# Altium PCB UltraZohm_Analog_ADS5272.PcbDoc (part 3 of 4) (continued)
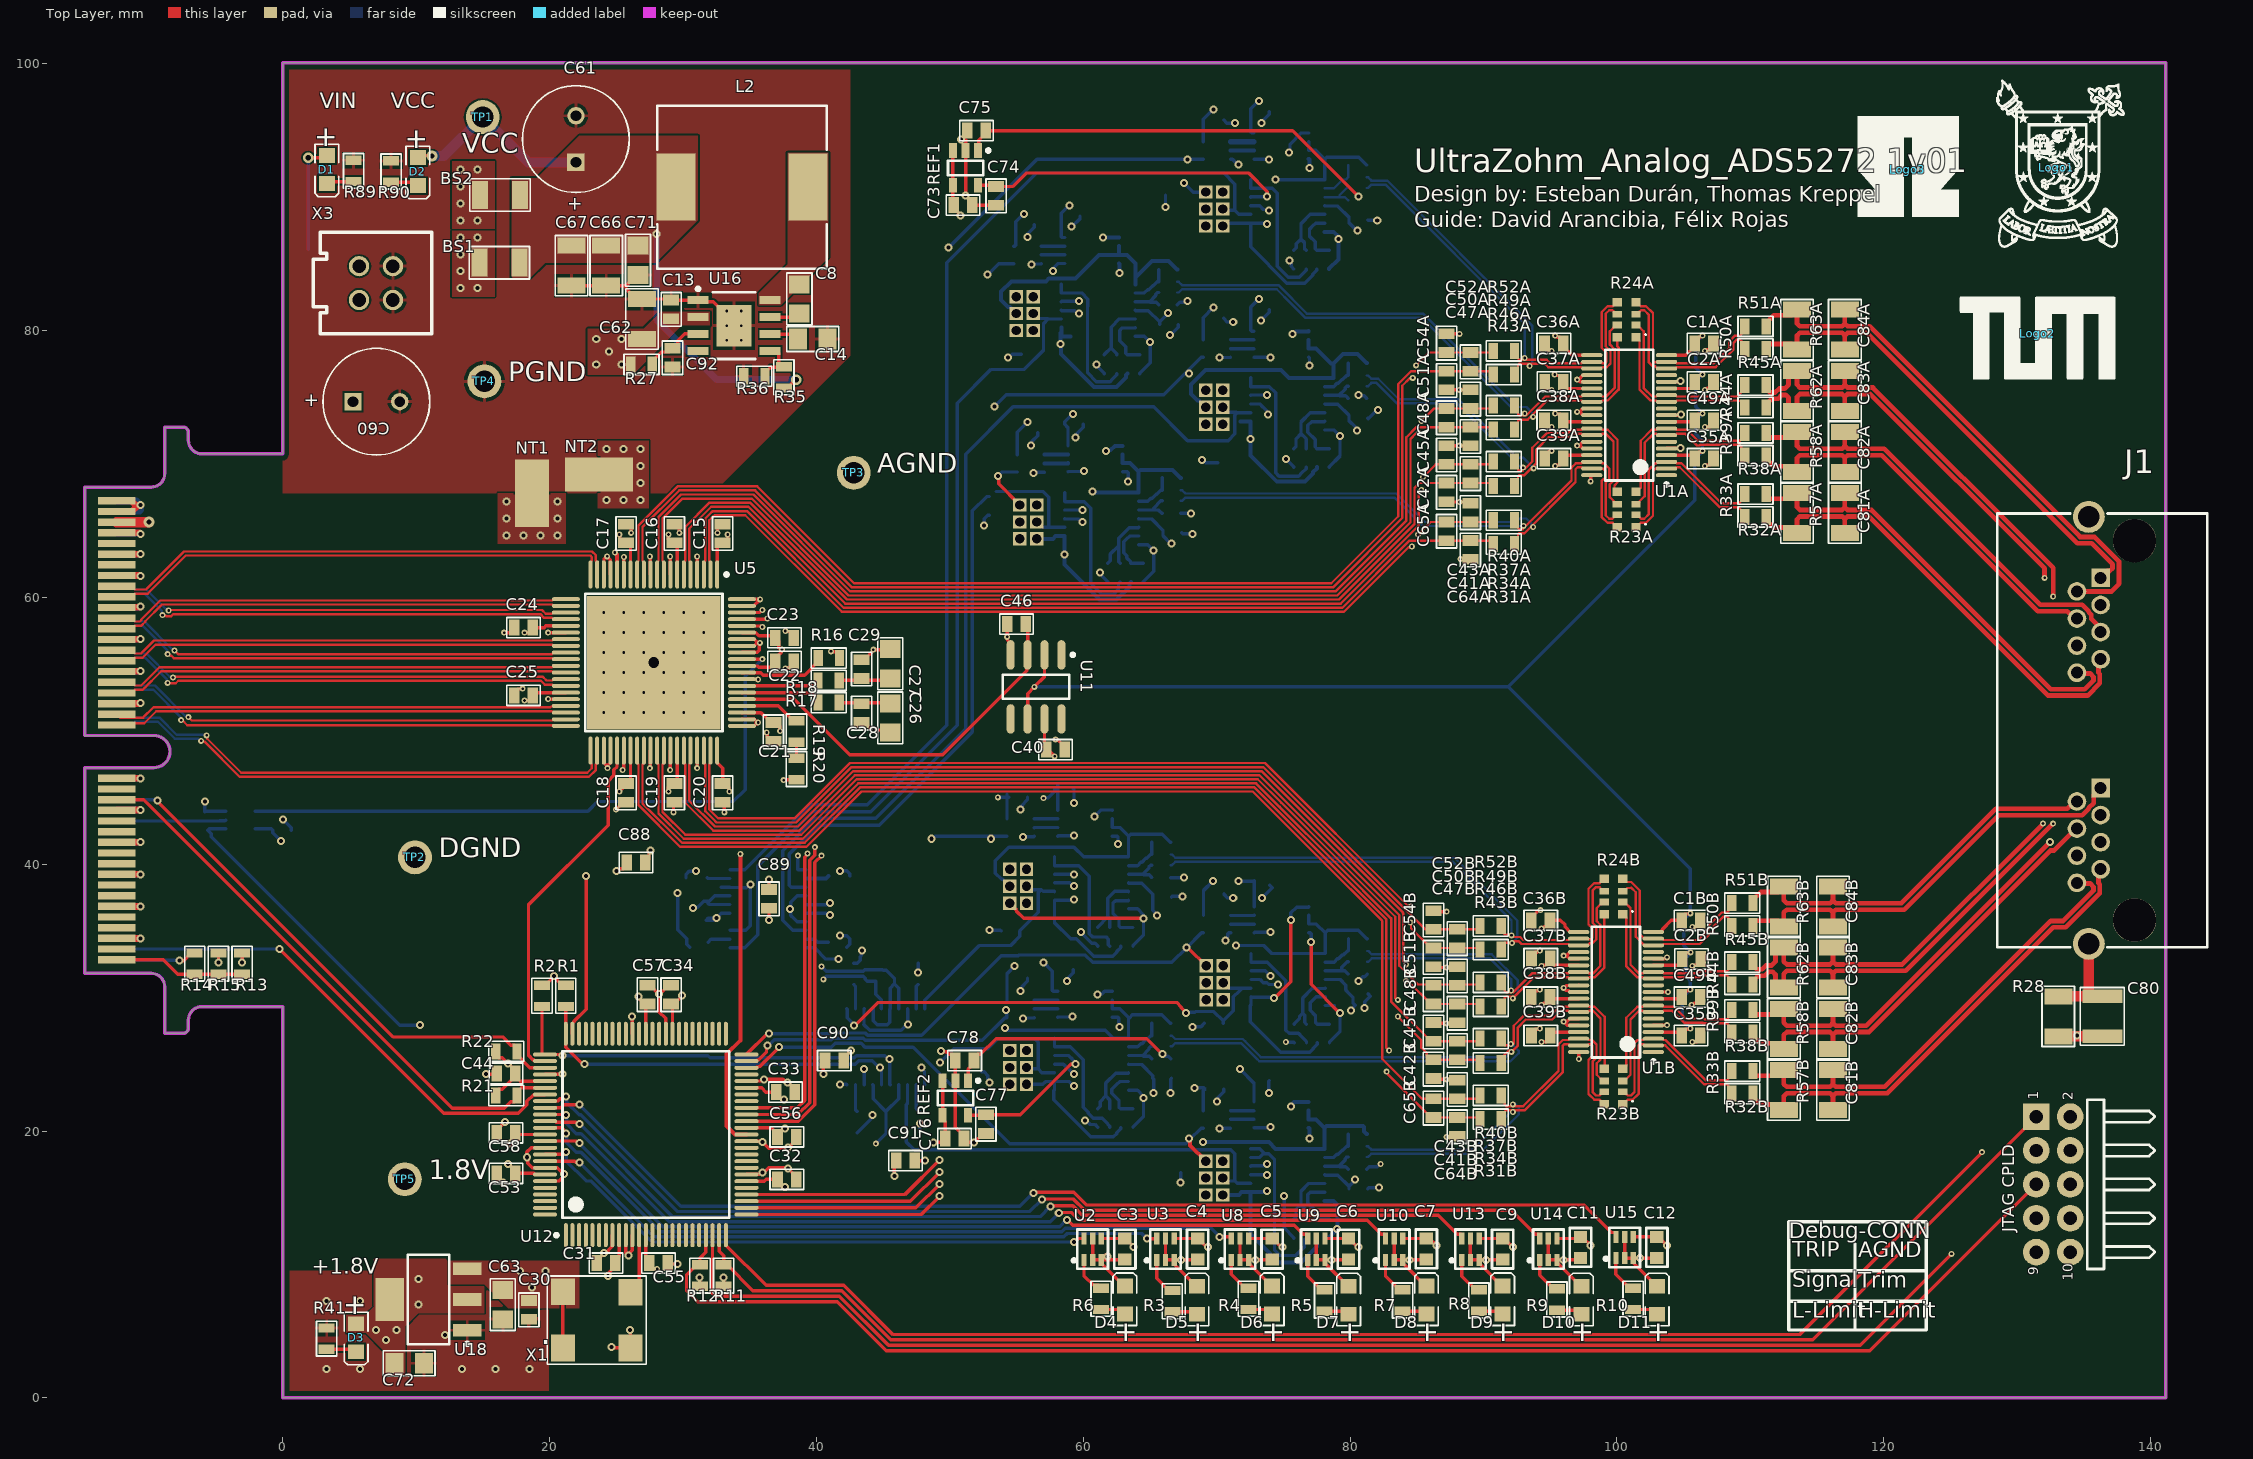
[diagram p0: Top Layer view]
## Nets (pads, with @x,y where several pads share a name; then routed paths per layer and width w, separated by ;. In a path a pad name is that pad's centre, name@x,y a point inside that pad or via, vN(x,y) a via of type N, cw(c..) or ccw(c..) an arc to the next point about the centre after c; other vN are vias at no path point) (continued)
  Top Layer w0.508: X2.75@-12.453,34.442 -12.44,34.429 -10.68,34.429 v1(-10.668,34.417) ; X2.69@-12.453,36.842 -12.447,36.836 -10.674,36.836 v1(-10.668,36.83) ; X2.63@-12.453,39.242 X2.63@-12.453,39.242 v1(-10.668,39.243) ; X2.57@-12.453,41.642 -12.446,41.649 -10.675,41.649 v1(-10.668,41.656) ; X2.51@-12.453,44.042 -12.439,44.055 -10.682,44.055 v1(-10.668,44.069) ; X2.45@-12.453,46.442 -12.451,46.44 -10.67,46.44 v1(-10.668,46.438) ; X2.39@-12.453,52.042 -12.439,52.056 -10.682,52.056 v1(-10.668,52.07) ; X2.33@-12.453,54.442 -12.432,54.463 -10.713,54.463 -10.693,54.483 v1(-10.668,54.483) ; X2.27@-12.453,56.842 -12.432,56.863 -10.726,56.863 -10.693,56.896 v1(-10.668,56.896) ; X2.21@-12.453,59.242 -12.432,59.263 -10.739,59.263 -10.693,59.309 v1(-10.668,59.309) ; X2.15@-12.453,61.642 -10.715,61.642 v1(-10.668,61.595) ; X2.11@-12.453,63.242 -12.451,63.244 -10.67,63.244 v1(-10.668,63.246) ; X2.7@-12.453,64.842 -10.74,64.842 v1(-10.668,64.77) ; X2.3@-12.453,66.442 -12.432,66.463 -11.307,66.463 v1@-10.864,66.906 ; X2.1@-12.453,67.242 -11.328,67.242 -10.992,66.906 v1@-10.864,66.906 ; v1(-10.668,66.923) -10.686,66.906 v1@-10.864,66.906
  Top Layer w0.762: R28.2@133.096,27.099 C80.1@136.398,27.099
  Bottom Layer w0.254: v1(-5.842,44.704) C86.2@-5.842,43.945 -5.83,43.957 U17.3@-4.285,43.957 ; v1(0.015,43.346) 0.037,43.346 0.638,42.745 C87.2@0.638,42.545 ; v1@32.51,35.814 C10.2@31.75,35.814 31.908,35.972 v1(32.51,35.972) 32.869,36.331 POT1.15@33.519,36.331 ; POT1.7@39.219,35.681 38.569,35.681 38.354,35.896 38.345,35.896 38.085,36.156 38.085,36.59 v1(38.019,36.656) 38.085,36.722 38.085,37.156 38.345,37.416 38.354,37.416 38.569,37.631 POT1.4@39.219,37.631 ; v2(40.513,31.369) 40.736,31.592 43.504,31.592 43.653,31.443 43.653,31.391 43.802,31.242 C59.2@44.45,31.242 44.45,30.261 44.854,29.857 44.854,29.188 POT2.15@44.877,29.165 ; POT2.7@44.227,23.465 44.25,23.442 44.25,22.425 45.212,21.463 ; v2(44.45,19.05) 45.212,19.812 45.212,21.463 ; POT2.4@46.177,23.465 46.177,22.428 45.212,21.463
  Bottom Layer w0.508: X2.76@-12.453,34.442 -12.44,34.429 -10.68,34.429 v1(-10.668,34.417) ; X2.70@-12.453,36.842 -12.447,36.836 -10.674,36.836 v1(-10.668,36.83) ; X2.64@-12.453,39.242 v1@-10.669,39.242 ; X2.58@-12.453,41.642 -12.446,41.649 -10.675,41.649 v1(-10.668,41.656) ; X2.52@-12.453,44.042 -12.439,44.055 -10.682,44.055 v1(-10.668,44.069) ; X2.46@-12.453,46.442 -12.451,46.44 -10.67,46.44 v1(-10.668,46.438) ; X2.40@-12.453,52.042 -12.439,52.056 -10.682,52.056 v1(-10.668,52.07) ; X2.34@-12.453,54.442 -10.709,54.442 v1(-10.668,54.483) ; X2.28@-12.453,56.842 -12.432,56.863 -10.726,56.863 -10.693,56.896 v1(-10.668,56.896) ; X2.22@-12.453,59.242 -10.735,59.242 v1(-10.668,59.309) ; X2.16@-12.453,61.642 -12.432,61.621 -10.719,61.621 -10.693,61.595 v1(-10.668,61.595) ; X2.12@-12.453,63.242 -10.672,63.242 v1(-10.668,63.246) ; X2.8@-12.453,64.842 -12.432,64.821 -10.744,64.821 -10.693,64.77 v1(-10.668,64.77) ; X2.4@-12.453,66.442 -12.432,66.463 -10.753,66.463 -10.668,66.548 v1(-10.668,66.923) -10.966,67.221 -12.432,67.221 X2.2@-12.453,67.242
  other v1: 3.26,2.16 5.8,2.16 13.42,2.16 15.96,2.16 18.5,2.16 12.15,4.7 3.26,7.24 5.8,7.24 134.493,27.178 16.764,64.643 18.034,64.643 19.304,64.643 20.574,64.643 16.764,65.913 20.574,65.913 16.764,67.183 20.574,67.183
  other v2: 24.063,51.368 25.563,51.368 27.063,51.368 28.563,51.368 30.063,51.368 31.563,51.368 24.063,52.868 31.563,52.868 24.063,54.368 31.563,54.368 24.063,55.868 31.563,55.868 24.063,57.368 31.563,57.368 24.063,58.868 25.563,58.868 27.063,58.868 28.563,58.868 30.063,58.868 31.563,58.868
  other v3: 25.563,52.868 27.063,52.868 28.563,52.868 30.063,52.868 25.563,54.368 27.063,54.368 28.563,54.368 30.063,54.368 25.563,55.868 27.063,55.868 28.563,55.868 30.063,55.868 25.563,57.368 27.063,57.368 28.563,57.368 30.063,57.368
I2C_SHARED_SCL: R21.2 U12.81 X2.49 | length 42.6
  Top Layer w0.254: X2.49@-12.453,44.842 -10.425,44.842 12.7,21.717 16.612,21.717 17.085,22.19 17.335,22.19 17.558,22.413 R21.2@17.558,22.663 17.558,22.913 17.887,23.242 U12.81@19.66,23.242
I2C_SHARED_SDA: R22.2 U12.78 X2.50 | length 40.8
  Top Layer w0.254: v1(-9.398,44.767) -9.398,44.704 8.255,27.051 16.471,27.051 17.085,26.438 17.335,26.438 17.558,26.215 R22.2@17.558,25.965 17.558,25.715 18.522,24.751 19.651,24.751 U12.78@19.66,24.742
  Bottom Layer w0.254: X2.50@-12.453,44.842 -9.472,44.842 v1(-9.398,44.767)
LCLK_N: U5.20 X2.19 | length 38.3
  Top Layer w0.178: X2.19@-12.453,60.042 -11.328,60.042 -11.08,60.29 -10.128,60.29 -7.279,63.139 23.056,63.139 23.161,63.035 23.161,62.749 23.063,62.651 U5.20@23.063,61.718
LCLK_P: U5.19 X2.17 | length 38.8
  Top Layer w0.178: X2.17@-12.453,60.842 -11.328,60.842 -11.08,60.594 -10.254,60.594 -7.405,63.444 23.183,63.444 23.465,63.161 23.465,62.749 23.563,62.651 U5.19@23.563,61.718
LED1: U2.6 U12.91 | length 43.7
  Top Layer w0.254: U12.91@19.66,18.242 19.668,18.251 21.045,18.251 v1(21.209,18.415) ; v1(59.309,11.684) 59.362,11.684 59.618,11.94 U2.6@60.056,11.94
  Bottom Layer w0.254: v1(21.209,18.415) 21.255,18.369 21.255,17.734 22.733,16.256 23.083,16.256 27.655,11.684 v1(59.309,11.684)
LED2: U3.6 U12.92 | length 48.2
  Top Layer w0.254: U12.92@19.66,17.742 21.882,17.742 v1@21.971,17.653 ; v1(64.77,11.938) 65.515,11.938 U3.6@65.517,11.94
  Bottom Layer w0.254: v1(22.225,17.653) 27.813,12.065 58.547,12.065 58.801,12.319 64.389,12.319 v1(64.77,11.938)
LED3: U8.6 U12.87 | length 55.4
  Top Layer w0.254: U12.87@19.66,20.242 20.9,20.242 21.203,19.939 v1@21.209,19.939 ; v1(70.231,12.065) 71.032,12.065 71.105,11.992 U8.6@71.105,11.94
  Bottom Layer w0.254: v1(21.209,19.812) 21.275,19.746 21.275,19.132 21.992,18.415 22.352,18.415 28.321,12.446 58.389,12.446 58.643,12.7 69.596,12.7 v1(70.231,12.065)
LED4: U9.6 U12.89 | length 60.8
  Top Layer w0.254: U12.89@19.66,19.242 19.668,19.251 21.973,19.251 22.131,19.092 v1(22.225,19.092) ; v1(58.801,13.335) 59.209,12.927 75.833,12.927 76.497,12.263 76.747,12.263 76.82,12.19 U9.6@76.82,11.94
  Bottom Layer w0.254: v1(22.225,19.092) 28.49,12.827 58.231,12.827 58.739,13.335 v1(58.801,13.335)
LED5: U10.6 U12.85 | length 67.9
  Top Layer w0.254: U12.85@19.66,21.242 21.021,21.242 21.115,21.336 v1@21.209,21.336 ; v1(58.166,13.843) 58.212,13.889 59.136,13.889 59.717,13.308 81.294,13.308 82.339,12.263 82.589,12.263 82.662,12.19 U10.6@82.662,11.94
  Bottom Layer w0.254: v1(21.209,21.209) 21.275,21.143 21.275,20.541 22.006,19.81 22.354,19.81 28.956,13.208 57.531,13.208 v1(58.166,13.843)
LED6: U12.86 U13.6 | length 72.9
  Top Layer w0.254: U12.86@19.66,20.742 20.422,20.742 20.509,20.655 v1@21.959,20.655 ; v1(57.531,14.351) 57.577,14.397 59.236,14.397 59.944,13.689 86.628,13.689 88.054,12.263 88.304,12.263 88.377,12.19 U13.6@88.377,11.94
  Bottom Layer w0.254: v1(22.225,20.532) 22.267,20.532 29.21,13.589 56.769,13.589 v1(57.531,14.351)
LED7: U12.83 U14.6 | length 80.3
  Top Layer w0.254: U12.83@19.66,22.242 19.668,22.251 20.618,22.251 20.807,22.439 20.949,22.439 21.115,22.606 v1(21.209,22.606) ; v1(56.896,14.859) 56.942,14.905 59.266,14.905 60.102,14.07 92.089,14.07 93.896,12.263 94.146,12.263 94.219,12.19 U14.6@94.219,11.94
  Bottom Layer w0.254: v1(21.209,22.606) 21.275,22.54 21.275,22.137 22.204,21.209 22.337,21.209 29.576,13.97 56.007,13.97 v1(56.896,14.859)
LED8: U12.84 U15.6 | length 85.2
  Top Layer w0.254: U12.84@19.66,21.742 19.668,21.751 20.841,21.751 21.062,21.971 v1@21.971,21.971 ; v1(56.261,15.367) 56.307,15.413 59.297,15.413 60.26,14.451 97.55,14.451 99.611,12.39 99.861,12.39 99.934,12.317 U15.6@99.934,12.067
  Bottom Layer w0.254: v1(22.225,21.971) 29.845,14.351 55.245,14.351 v1(56.261,15.367)
LOWER_LIMITA: DebugA.5 R26A.1 U4A.7 U7A.4 | length 21.2
  Signal 1 w0.3: DebugA.5@69.19,87.849 69.683,87.356 69.683,87.234 70.049,86.868 v1(79.121,86.868) 79.121,90.043 v1(76.962,92.202)
  Bottom Layer w0.3: U7A.4@76.893,92.87 76.916,92.87 76.962,92.823 v1(76.962,92.202) ; U4A.7@78.105,87.413 78.78,87.413 79.121,87.072 v1(79.121,86.868) 79.121,85.335 78.435,84.649 R26A.1@78.435,84.619
LOWER_LIMITB: DebugB.5 R26B.1 U4B.7 U7B.4 | length 22
  Signal 1 w0.3: DebugB.5@54.991,80.01 55.484,79.517 55.484,79.395 56.52,78.359 64.252,78.359 v1(65.024,79.131) 65.024,82.042 v1(62.738,84.328)
  Bottom Layer w0.254: U4B.7@63.906,79.574 64.581,79.574 v1(65.024,79.131) 65.024,77.598 64.236,76.81 R26B.1@64.236,76.78
  Bottom Layer w0.3: U7B.4@62.694,85.031 62.738,84.987 v1(62.738,84.328)
LOWER_LIMITC: DebugC.5 R26C.1 U4C.7 U7C.4 | length 22.1
  Signal 1 w0.254: DebugC.5@69.19,72.99 69.706,72.474 69.706,72.384 70.843,71.247 73.787,71.247 74.626,72.086 v1(79.248,72.086) 76.962,74.372 v1(76.962,77.389)
  Bottom Layer w0.254: U7C.4@76.893,78.011 76.895,78.011 76.962,77.943 v1(76.962,77.389) ; U4C.7@78.105,72.554 78.78,72.554 v1(79.248,72.086) 79.248,70.603 78.435,69.79 R26C.1@78.435,69.76
LOWER_LIMITD: DebugD.5 R26D.1 U4D.7 U7D.4 | length 23.1
  Signal 1 w0.254: DebugD.5@55.245,64.389 55.245,63.246 56.134,62.357 59.944,62.357 61.097,63.51 v1(65.278,63.51) 63.754,65.034 63.754,68.453 63.721,68.453 63.467,68.707 v1(63.373,68.707)
  Bottom Layer w0.254: U7D.4@62.948,69.41 63.305,69.41 63.372,69.343 63.372,68.708 v1(63.373,68.707) ; U4D.7@64.16,63.953 64.835,63.953 v1(65.278,63.51) 65.278,61.977 64.49,61.189 R26D.1@64.49,61.159
LOWER_LIMITE: DebugE.5 R26E.1 U4E.7 U7E.4 | length 21.9
  Top Layer w0.254: DebugE.5@54.483,37.084 54.999,36.568 54.999,36.479 55.537,35.941 v1(64.516,35.941)
  Signal 1 w0.254: v1(62.611,41.529) 64.516,39.624 v1(64.516,35.941)
  Bottom Layer w0.254: U7E.4@62.186,42.105 62.543,42.105 62.61,42.038 62.61,41.53 v1(62.611,41.529) ; U4E.7@63.398,36.648 64.073,36.648 64.516,36.205 v1(64.516,35.941) 64.516,34.672 63.728,33.884 R26E.1@63.728,33.854
LOWER_LIMITF: DebugF.5 R26F.1 U4F.7 U7F.4 | length 21.5
  Top Layer w0.254: v1(77.089,34.163) 77.089,30.988 v1(79.247,28.83)
  Signal 1 w0.254: DebugF.5@69.215,29.845 69.731,29.329 69.731,29.24 70.141,28.83 v1(79.247,28.83)
  Bottom Layer w0.254: U7F.4@76.918,34.866 77.022,34.866 77.089,34.799 v1(77.089,34.163) ; U4F.7@78.13,29.409 78.805,29.409 78.828,29.386 78.828,29.249 v1(79.247,28.83) 79.247,27.432 78.46,26.645 R26F.1@78.46,26.615
LOWER_LIMITG: DebugG.5 R26G.1 U4G.7 U7G.4 | length 21.7
  Signal 1 w0.254: DebugG.5@54.483,23.495 54.999,22.979 54.999,22.89 55.41,22.479 v1(64.516,22.479) 63.373,23.622 63.373,27.178 v1(62.738,27.813)
  Bottom Layer w0.254: U7G.4@62.186,28.516 62.606,28.516 62.674,28.449 62.674,27.877 v1(62.738,27.813) ; U4G.7@63.398,23.059 64.073,23.059 64.516,22.616 v1(64.516,22.479) 64.516,21.083 63.728,20.295 R26G.1@63.728,20.265
LOWER_LIMITH: DebugH.5 R26H.1 U4H.7 U7H.4 | length 23.3
  Signal 1 w0.3: DebugH.5@69.19,15.205 69.683,14.712 69.683,14.59 70.837,13.436 78.252,13.436 v1(79.035,12.653) 79.035,17.358 v1(76.962,19.431)
  Bottom Layer w0.3: U7H.4@76.893,20.226 76.916,20.226 76.962,20.179 v1(76.962,19.431) ; U4H.7@78.105,14.769 78.78,14.769 79.08,14.469 79.08,12.698 v1(79.035,12.653) 79.035,12.605 78.435,12.005 R26H.1@78.435,11.975
NetC8_2: C8.2 U16.7 | length 2.3
  Top Layer w0.254: U16.7@36.524,81.01 38.459,81.01 C8.2@38.724,81.275
NetC14_1: C14.1 U16.6 | length 2.3
  Top Layer w0.254: U16.6@36.524,79.74 38.259,79.74 C14.1@38.624,79.375
NetC26_1: C26.1 C28.1 R17.1 | length 3.8
  Top Layer w0.254: R17.1@41.721,52.114 45.493,52.114 C26.1@45.542,52.065
NetC27_1: C27.1 C29.1 R18.1 | length 3.5
  Top Layer w0.254: R18.1@41.656,53.721 41.719,53.784 R18.1@41.721,53.784 ; R18.1@41.975,53.784 C27.1@45.143,53.784 ; C27.1@45.397,53.784 C27.1@45.542,53.929
NetC92_1: C92.1 R27.1 U16.3 | length 4.7
  Top Layer w0.254: R27.1@27.686,77.47 27.686,77.72 28.363,78.397 28.937,78.397 C92.1@29.21,78.67 29.336,78.67 29.609,78.943 29.609,79.23 30.135,79.756 31.108,79.756 U16.3@31.124,79.74
NetD1_2: D1.2 R89.1 | length 2.1
  Top Layer w0.254: D1.2@3.302,91.025 3.452,91.175 R89.1@5.302,91.175
NetD2_2: D2.2 R90.2 | length 2.1
  Top Layer w0.254: R90.2@8.122,91.125 9.872,91.125 D2.2@10.122,90.875
NetD3_2: D3.2 R41.2 | length 2.3
  Top Layer w0.254: R41.2@3.29,3.638 5.307,3.638 D3.2@5.493,3.452
NetD4_1: D4.1 R6.1 | length 1.9
  Top Layer w0.254: R6.1@61.341,6.619 62.78,6.619 D4.1@63.119,6.28
NetD5_1: D5.1 R3.1 | length 1.9
  Top Layer w0.254: R3.1@66.675,6.441 68.352,6.441 D5.1@68.53,6.263
NetD6_1: D6.1 R4.1 | length 1.9
  Top Layer w0.254: R4.1@72.39,6.619 73.829,6.619 D6.1@74.168,6.28
NetD7_1: D7.1 R5.1 | length 1.9
  Top Layer w0.254: R5.1@78.105,6.492 79.674,6.492 D7.1@79.903,6.263
NetD8_1: D8.1 R7.1 | length 1.9
  Top Layer w0.254: R7.1@83.947,6.492 85.521,6.492 D8.1@85.733,6.28
NetD9_1: D9.1 R8.1 | length 1.9
  Top Layer w0.254: R8.1@89.662,6.492 91.228,6.492 D9.1@91.44,6.28
NetD10_1: D10.1 R9.1 | length 2
  Top Layer w0.254: R9.1@95.504,6.568 97.043,6.568 D10.1@97.348,6.263
NetD11_1: D11.1 R10.1 | length 2
  Top Layer w0.254: R10.1@101.219,6.619 102.672,6.619 D11.1@103.028,6.263
NetR3_2: R3.2 U3.1 | length 2.9
  Top Layer w0.254: U3.1@65.517,10.34 65.517,8.949 66.425,8.041 R3.2@66.675,8.041
NetR4_2: R4.2 U8.1 | length 2.8
  Top Layer w0.254: U8.1@71.105,10.34 71.105,9.254 72.14,8.219 R4.2@72.39,8.219
NetR5_2: R5.2 U9.1 | length 2.9
  Top Layer w0.254: U9.1@76.82,10.34 76.82,9.127 77.855,8.092 R5.2@78.105,8.092
NetR6_2: R6.2 U2.1 | length 2.9
  Top Layer w0.254: U2.1@60.056,10.34 60.056,9.159 60.773,8.442 61.118,8.442 R6.2@61.341,8.219
NetR7_2: R7.2 U10.1 | length 2.9
  Top Layer w0.254: U10.1@82.662,10.34 82.662,9.127 83.697,8.092 R7.2@83.947,8.092
NetR8_2: R8.2 U13.1 | length 2.9
  Top Layer w0.254: U13.1@88.377,10.34 88.377,9.127 89.412,8.092 R8.2@89.662,8.092
NetR9_2: R9.2 U14.1 | length 2.9
  Top Layer w0.254: U14.1@94.219,10.34 94.219,9.203 95.254,8.168 R9.2@95.504,8.168
NetR10_2: R10.2 U15.1 | length 2.9
  Top Layer w0.254: U15.1@99.934,10.467 99.934,9.254 100.969,8.219 R10.2@101.219,8.219
NetR16_1: R16.1 U5.69 | length 6.5
  Top Layer w0.254: U5.69@34.413,54.368 35.829,54.368 36.017,54.18 39.109,54.18 40.132,55.203 R16.1@40.132,55.453
NetR17_2: R17.2 U5.66 | length 6.2
  Top Layer w0.254: U5.66@34.413,52.868 39.617,52.868 40.121,52.364 R17.2@40.121,52.114
NetR18_2: R18.2 U5.67 | length 6
  Top Layer w0.254: U5.67@34.413,53.368 39.898,53.368 40.121,53.591 R18.2@40.121,53.784
NetR19_1: R19.1 R20.2 | length 1.2
  Top Layer w0.254: R20.2@38.506,47.936 R19.1@38.506,49.146
NetR19_2: R19.2 U5.64 | length 4.6
  Top Layer w0.254: U5.64@34.413,51.868 37.134,51.868 38.256,50.746 R19.2@38.506,50.746
NetR25A_5: R25A.5 R25A.6 U4A.3 | length 2.9
  Bottom Layer w0.178: U4A.3@78.105,90.013 79.213,90.013 ; R25A.5@79.858,89.771 79.627,90.002 79.225,90.002 79.213,90.013 ; R25A.6@79.858,90.696 79.758,90.696 79.213,90.151 79.213,90.013
NetR25A_7: R25A.7 R25A.8 U4A.2 | length 3
  Bottom Layer w0.178: U4A.2@78.105,90.663 78.78,90.663 79.452,91.334 79.697,91.334 R25A.7@79.858,91.496 R25A.8@79.858,92.421
NetR25B_5: R25B.5 R25B.6 U4B.3 | length 2.9
  Bottom Layer w0.254: U4B.3@63.906,82.174 64.976,82.174 ; R25B.5@65.659,81.932 65.466,82.125 65.026,82.125 64.976,82.174 ; R25B.6@65.659,82.857 65.559,82.857 65.436,82.734 65.436,82.634 64.976,82.174
NetR25B_7: R25B.7 R25B.8 U4B.2 | length 3
  Bottom Layer w0.254: U4B.2@63.906,82.824 64.581,82.824 64.827,83.07 64.913,83.07 65.204,83.361 65.263,83.361 65.559,83.657 R25B.7@65.659,83.657 R25B.8@65.659,84.582
NetR25C_5: R25C.5 R25C.6 U4C.3 | length 2.9
  Bottom Layer w0.254: U4C.3@78.105,75.154 79.175,75.154 ; R25C.5@79.858,74.912 79.665,75.105 79.225,75.105 79.175,75.154 ; R25C.6@79.858,75.837 79.758,75.837 79.635,75.714 79.635,75.614 79.175,75.154
NetR25C_7: R25C.7 R25C.8 U4C.2 | length 3
  Bottom Layer w0.254: U4C.2@78.105,75.804 78.78,75.804 79.026,76.05 79.112,76.05 79.403,76.341 79.462,76.341 79.758,76.637 R25C.7@79.858,76.637 R25C.8@79.858,77.562
NetR25D_5: R25D.5 R25D.6 U4D.3 | length 2.9
  Bottom Layer w0.254: U4D.3@64.16,66.553 65.278,66.553 ; R25D.5@65.913,66.311 65.883,66.311 65.641,66.553 65.278,66.553 ; R25D.6@65.913,67.236 65.813,67.236 65.278,66.701 65.278,66.553
NetR25D_7: R25D.7 R25D.8 U4D.2 | length 3
  Bottom Layer w0.254: U4D.2@64.16,67.203 64.835,67.203 65.081,67.449 65.167,67.449 65.458,67.74 65.517,67.74 65.813,68.036 R25D.7@65.913,68.036 R25D.8@65.913,68.961
NetR25E_5: R25E.5 R25E.6 U4E.3 | length 2.9
  Bottom Layer w0.254: U4E.3@63.398,39.248 64.468,39.248 ; R25E.5@65.151,39.006 64.958,39.199 64.518,39.199 64.468,39.248 ; R25E.6@65.151,39.931 65.051,39.931 64.928,39.808 64.928,39.708 64.468,39.248
NetR25E_7: R25E.7 R25E.8 U4E.2 | length 3
  Bottom Layer w0.254: U4E.2@63.398,39.898 64.073,39.898 64.319,40.144 64.405,40.144 64.696,40.435 64.755,40.435 65.051,40.731 R25E.7@65.151,40.731 R25E.8@65.151,41.656
NetR25F_5: R25F.5 R25F.6 U4F.3 | length 2.8
  Bottom Layer w0.254: U4F.3@78.13,32.009 79.375,32.009 ; R25F.5@79.883,31.767 79.853,31.767 79.611,32.009 79.375,32.009 ; R25F.6@79.883,32.692 79.783,32.692 79.375,32.284 79.375,32.009
NetR25F_7: R25F.7 R25F.8 U4F.2 | length 3
  Bottom Layer w0.254: U4F.2@78.13,32.659 78.805,32.659 79.051,32.905 79.137,32.905 79.428,33.196 79.487,33.196 79.783,33.492 R25F.7@79.883,33.492 R25F.8@79.883,34.417
NetR25G_5: R25G.5 R25G.6 U4G.3 | length 2.9
  Bottom Layer w0.254: U4G.3@63.398,25.659 64.468,25.659 ; R25G.5@65.151,25.417 64.958,25.61 64.518,25.61 64.468,25.659 ; R25G.6@65.151,26.342 65.051,26.342 64.928,26.219 64.928,26.119 64.468,25.659
NetR25G_7: R25G.7 R25G.8 U4G.2 | length 3.1
  Bottom Layer w0.254: U4G.2@63.398,26.309 64.073,26.309 64.319,26.555 64.405,26.555 64.696,26.846 64.755,26.846 R25G.7@65.051,27.142 ; R25G.7@65.151,27.142 R25G.7@65.051,27.142 ; R25G.8@65.151,28.067 65.151,27.242 R25G.7@65.051,27.142
NetR25H_5: R25H.5 R25H.6 U4H.3 | length 2.9
  Bottom Layer w0.254: U4H.3@78.105,17.369 79.175,17.369 ; R25H.5@79.858,17.127 79.665,17.32 79.225,17.32 79.175,17.369 ; R25H.6@79.858,18.052 79.758,18.052 79.635,17.929 79.635,17.829 79.175,17.369
NetR25H_7: R25H.7 R25H.8 U4H.2 | length 3
  Bottom Layer w0.254: U4H.2@78.105,18.019 78.78,18.019 79.026,18.265 79.112,18.265 79.403,18.556 79.462,18.556 79.758,18.852 R25H.7@79.858,18.852 R25H.8@79.858,19.777
NetR26A_3: R26A.3 U4A.13 U4A.14 | length 11.1
  Bottom Layer w0.254: U4A.14@72.555,91.313 U4A.13@72.555,90.663 74.183,90.663 74.549,90.297 74.549,84.825 75.36,84.015 76.21,84.015 76.39,84.194 76.39,84.198 76.71,84.519 R26A.3@76.71,84.619
NetR26A_5: R26A.5 R26A.6 U4A.5 | length 5.3
  Bottom Layer w0.254: R26A.5@75.785,86.019 75.978,86.212 75.978,86.519 76.327,86.868 ; R26A.6@76.71,86.019 76.587,86.142 76.587,86.608 76.327,86.868 ; U4A.5@78.105,88.713 77.029,88.713 76.327,88.011 76.327,86.868
NetR26A_7: R26A.7 R26A.8 U4A.6 | length 4.1
  Bottom Layer w0.254: U4A.6@78.105,88.063 77.43,88.063 77.215,87.848 77.206,87.848 76.962,87.604 76.962,87.077 77.387,86.652 77.387,86.142 R26A.7@77.51,86.019 R26A.8@78.435,86.019
NetR26B_3: R26B.3 U4B.13 U4B.14 | length 11.1
  Bottom Layer w0.254: U4B.14@58.356,83.474 U4B.13@58.356,82.824 59.882,82.824 60.347,82.359 60.347,81.81 60.325,81.788 60.325,76.835 60.984,76.176 62.011,76.176 62.191,76.356 62.191,76.36 62.511,76.68 R26B.3@62.511,76.78
NetR26B_5: R26B.5 R26B.6 U4B.5 | length 5.1
  Bottom Layer w0.254: R26B.5@61.586,78.18 61.586,78.21 62.103,78.727 ; R26B.6@62.511,78.18 62.511,78.28 62.103,78.688 62.103,78.727 ; U4B.5@63.906,80.874 62.713,80.874 62.103,80.264 62.103,78.727
NetR26B_7: R26B.7 R26B.8 U4B.6 | length 4.2
  Bottom Layer w0.254: U4B.6@63.906,80.224 63.883,80.201 62.929,80.201 62.738,80.01 62.738,79.248 63.188,78.798 63.188,78.303 R26B.7@63.311,78.18 R26B.8@64.236,78.18
NetR26C_3: R26C.3 U4C.13 U4C.14 | length 11.4
  Bottom Layer w0.254: U4C.14@72.555,76.454 U4C.13@72.555,75.804 73.95,75.804 74.422,75.332 74.422,69.342 74.676,69.088 76.143,69.088 76.39,69.335 76.39,69.339 76.71,69.66 R26C.3@76.71,69.76
NetR26C_5: R26C.5 R26C.6 U4C.5 | length 5.5
  Bottom Layer w0.254: R26C.5@75.785,71.16 75.955,71.329 75.955,71.891 76.327,72.263 ; R26C.6@76.71,71.16 76.71,71.88 76.327,72.263 ; U4C.5@78.105,73.854 77.029,73.854 76.327,73.152 76.327,72.263
NetR26C_7: R26C.7 R26C.8 U4C.6 | length 4.3
  Bottom Layer w0.254: U4C.6@78.105,73.204 78.082,73.181 77.118,73.181 76.835,72.898 76.835,72.39 77.387,71.838 77.387,71.283 R26C.7@77.51,71.16 R26C.8@78.435,71.16
NetR26D_3: R26D.3 U4D.13 U4D.14 | length 11.6
  Bottom Layer w0.254: U4D.14@58.61,67.853 U4D.13@58.61,67.203 58.63,67.183 60.092,67.183 60.579,66.696 60.579,61.059 61.389,60.249 62.281,60.249 62.642,60.61 62.642,61.036 R26D.3@62.765,61.159
NetR26D_5: R26D.5 R26D.6 U4D.5 | length 5.4
  Bottom Layer w0.254: R26D.5@61.84,62.559 62.033,62.752 62.033,63.255 62.659,63.881 ; R26D.6@62.765,62.559 62.659,62.665 62.659,63.881 ; U4D.5@64.16,65.253 64.137,65.23 63.453,65.23 62.659,64.437 62.659,63.881
NetR26D_7: R26D.7 R26D.8 U4D.6 | length 4.1
  Bottom Layer w0.254: U4D.6@64.16,64.603 63.485,64.603 63.27,64.388 63.261,64.388 63.04,64.168 63.04,63.364 63.269,63.135 63.269,62.955 63.565,62.659 R26D.7@63.565,62.559 R26D.8@64.49,62.559
NetR26E_3: R26E.3 U4E.13 U4E.14 | length 10.1
  Bottom Layer w0.254: U4E.14@57.848,40.548 U4E.13@57.848,39.898 59.67,39.898 60.452,39.116 60.452,34.798 60.706,34.544 61.722,34.544 61.88,34.386 61.88,33.977 R26E.3@62.003,33.854